# KiCad board ae89fa26-SparkFun_Thing_Plus_ESP32-S3_panelized.kicad_pcb (continued)
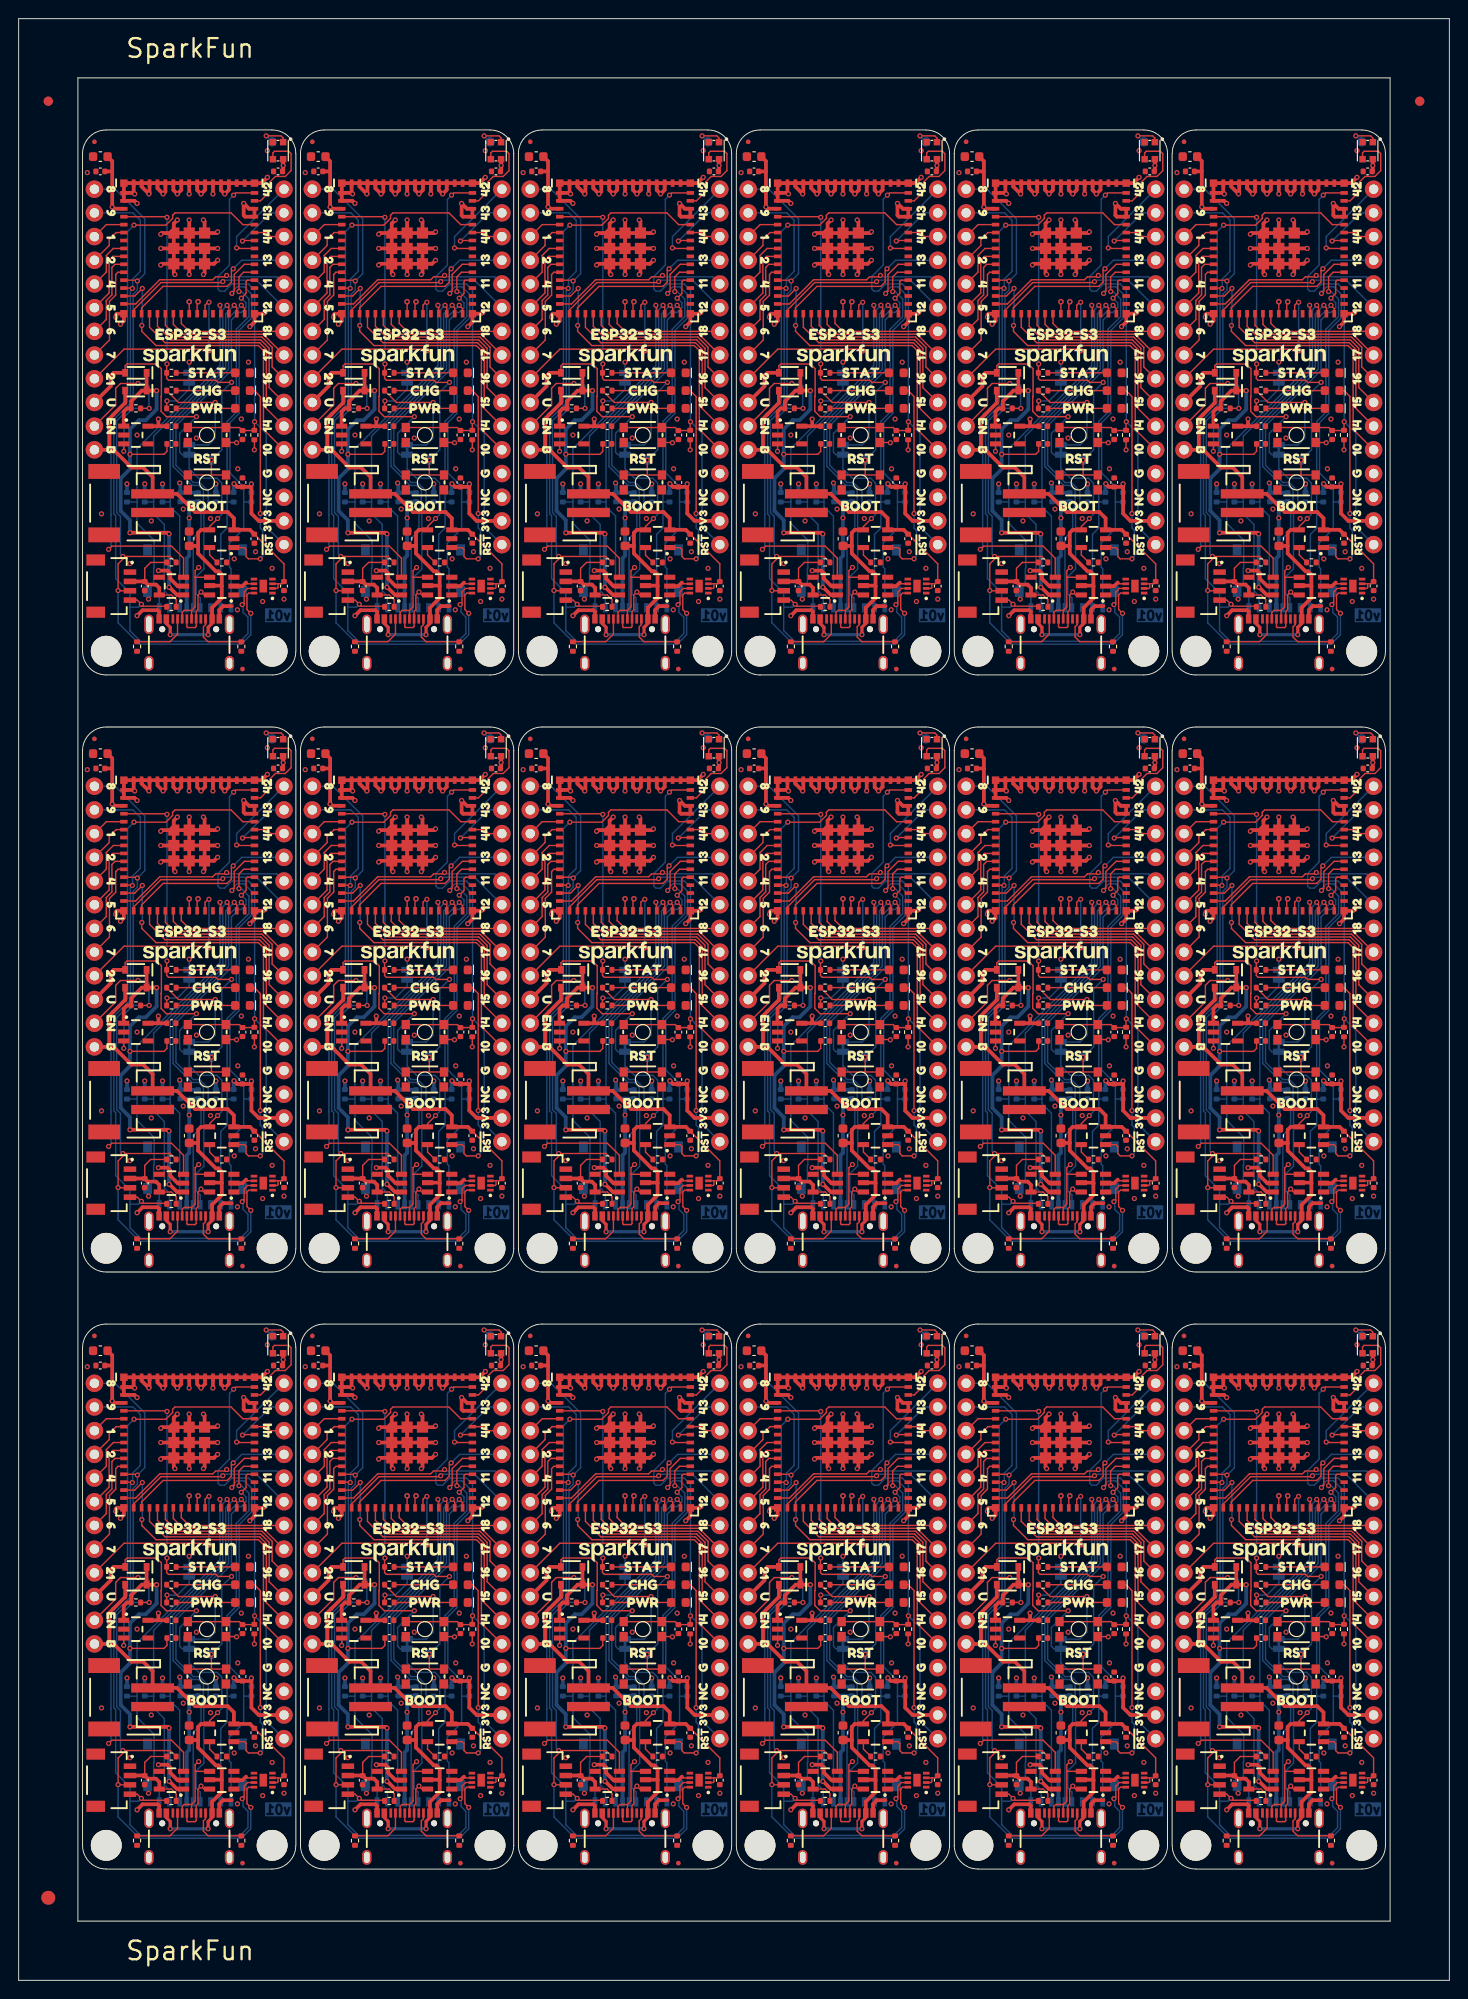
[diagram p0: board, top side]
## Routing (per net, layer and track width the routed paths; a pad name or vN(x,y) marks a point on that pad's centre or on a via; arc(x,y) is an arc through that point) (continued)
ESP45/Q_EN: length 1094.7
  Top w0.152: U3#8.41 70.75,124.2 69.49,125.46 63.48,125.46 63.22,125.21 63.22,124.87 62.5,124.15 v1(59.08,124.15) ; v1(33,25.39) 33.35,25.74 39.74,25.74 41.04,24.44 U1#5.3 ; U3#13.41 140.83,188.2 139.57,189.46 133.56,189.46 133.3,189.21 133.3,188.87 132.58,188.15 v1(129.16,188.15) ; v1(79.72,153.39) 80.07,153.74 86.46,153.74 87.76,152.44 U1#3.3 ; v1(103.08,153.39) 103.43,153.74 109.81,153.74 111.12,152.44 U1#12.3 ; U1#17.3 134.48,88.44 133.18,89.74 126.79,89.74 v1(126.44,89.39) ; v1(12.36,188.15) 15.78,188.15 16.5,188.87 16.5,189.21 16.76,189.46 22.77,189.46 24.03,188.2 U3#3.41 ; v1(35.72,124.15) 39.14,124.15 39.86,124.87 39.86,125.21 40.12,125.46 46.13,125.46 47.39,124.2 U3#5.41 ; U1#2.3 134.48,152.44 133.18,153.74 126.79,153.74 v1(126.44,153.39) ; v1(33,153.39) 33.35,153.74 39.74,153.74 41.04,152.44 U1#15.3 ; v1(12.36,60.15) 15.78,60.15 16.5,60.87 16.5,61.21 16.76,61.46 22.77,61.46 24.03,60.2 U3#18.41 ; U3#12.41 140.83,124.2 139.57,125.46 133.56,125.46 133.3,125.21 133.3,124.87 132.58,124.15 v1(129.16,124.15) ; v1(56.36,153.39) 56.71,153.74 63.09,153.74 64.4,152.44 U1#10.3 ; v1(59.08,60.15) 62.5,60.15 63.22,60.87 63.22,61.21 63.48,61.46 69.49,61.46 70.75,60.2 U3#17.41 ; v1(82.44,60.15) 85.86,60.15 86.58,60.87 86.58,61.21 86.84,61.46 92.85,61.46 94.11,60.2 U3#11.41 ; v1(33,89.39) 33.35,89.74 39.74,89.74 41.04,88.44 U1#14.3 ; U1#9.3 134.48,24.44 133.18,25.74 126.79,25.74 v1(126.44,25.39) ; U1#8.3 87.76,24.44 86.46,25.74 80.07,25.74 v1(79.72,25.39) ; v1(103.08,89.39) 103.43,89.74 109.81,89.74 111.12,88.44 U1#4.3 ; v1(79.72,89.39) 80.07,89.74 86.46,89.74 87.76,88.44 U1#13.3 ; U3#14.41 117.47,60.2 116.21,61.46 110.2,61.46 109.94,61.21 109.94,60.87 109.22,60.15 v1(105.8,60.15) ; U3#9.41 117.47,124.2 116.21,125.46 110.2,125.46 109.94,125.21 109.94,124.87 109.22,124.15 v1(105.8,124.15) ; v1(56.36,89.39) 56.71,89.74 63.09,89.74 64.4,88.44 U1#6.3 ; U1.3 17.68,88.44 16.38,89.74 9.99,89.74 v1(9.64,89.39) ; U3#16.41 140.83,60.2 139.57,61.46 133.56,61.46 133.3,61.21 133.3,60.87 132.58,60.15 v1(129.16,60.15) ; v1(59.08,188.15) 62.5,188.15 63.22,188.87 63.22,189.21 63.48,189.46 69.49,189.46 70.75,188.2 U3#7.41 ; v1(103.08,25.39) 103.43,25.74 109.81,25.74 111.12,24.44 U1#7.3 ; U1#16.3 17.68,152.44 16.38,153.74 9.99,153.74 v1(9.64,153.39) ; U3#2.41 47.39,60.2 46.13,61.46 40.12,61.46 39.86,61.21 39.86,60.87 39.14,60.15 v1(35.72,60.15) ; U1#18.3 17.68,24.44 16.38,25.74 9.99,25.74 v1(9.64,25.39) ; U3#4.41 24.03,124.2 22.77,125.46 16.76,125.46 16.5,125.21 16.5,124.87 15.78,124.15 v1(12.36,124.15) ; U3#6.41 117.47,188.2 116.21,189.46 110.2,189.46 109.94,189.21 109.94,188.87 109.22,188.15 v1(105.8,188.15) ; v1(35.72,188.15) 39.14,188.15 39.86,188.87 39.86,189.21 40.12,189.46 46.13,189.46 47.39,188.2 U3.41 ; v1(82.44,124.15) 85.86,124.15 86.58,124.87 86.58,125.21 86.84,125.46 92.85,125.46 94.11,124.2 U3#15.41 ; U3#10.41 94.11,188.2 92.85,189.46 86.84,189.46 86.58,189.21 86.58,188.87 85.86,188.15 v1(82.44,188.15) ; v1(56.36,25.39) 56.71,25.74 63.09,25.74 64.4,24.44 U1#11.3
  Bottom w0.152: v1(79.72,25.39) 79.98,25.65 79.98,29.08 79.98,29.08 79.98,39.45 81.75,41.23 81.75,59.46 v1(82.44,60.15) ; v1(33,153.39) 33.26,153.65 33.26,157.08 33.26,157.08 33.26,167.45 35.03,169.23 35.03,187.46 v1(35.72,188.15) ; v1(59.08,188.15) 58.39,187.46 58.39,169.23 56.62,167.45 56.62,157.08 56.62,157.08 56.62,153.65 v1(56.36,153.39) ; v1(12.36,124.15) 11.67,123.46 11.67,105.23 9.9,103.45 9.9,93.08 9.9,93.08 9.9,89.65 v1(9.64,89.39) ; v1(129.16,60.15) 128.47,59.46 128.47,41.23 126.7,39.45 126.7,29.08 126.7,29.08 126.7,25.65 v1(126.44,25.39) ; v1(82.44,188.15) 81.75,187.46 81.75,169.23 79.98,167.45 79.98,157.08 79.98,157.08 79.98,153.65 v1(79.72,153.39) ; v1(56.36,89.39) 56.62,89.65 56.62,93.08 56.62,93.08 56.62,103.45 58.39,105.23 58.39,123.46 v1(59.08,124.15) ; v1(129.16,124.15) 128.47,123.46 128.47,105.23 126.7,103.45 126.7,93.08 126.7,93.08 126.7,89.65 v1(126.44,89.39) ; v1(105.8,188.15) 105.11,187.46 105.11,169.23 103.34,167.45 103.34,157.08 103.34,157.08 103.34,153.65 v1(103.08,153.39) ; v1(129.16,188.15) 128.47,187.46 128.47,169.23 126.7,167.45 126.7,157.08 126.7,157.08 126.7,153.65 v1(126.44,153.39) ; v1(103.08,89.39) 103.34,89.65 103.34,93.08 103.34,93.08 103.34,103.45 105.11,105.23 105.11,123.46 v1(105.8,124.15) ; v1(59.08,60.15) 58.39,59.46 58.39,41.23 56.62,39.45 56.62,29.08 56.62,29.08 56.62,25.65 v1(56.36,25.39) ; v1(9.64,25.39) 9.9,25.65 9.9,29.08 9.9,29.08 9.9,39.45 11.67,41.23 11.67,59.46 v1(12.36,60.15) ; v1(103.08,25.39) 103.34,25.65 103.34,29.08 103.34,29.08 103.34,39.45 105.11,41.23 105.11,59.46 v1(105.8,60.15) ; v1(79.72,89.39) 79.98,89.65 79.98,93.08 79.98,93.08 79.98,103.45 81.75,105.23 81.75,123.46 v1(82.44,124.15) ; v1(35.72,60.15) 35.03,59.46 35.03,41.23 33.26,39.45 33.26,29.08 33.26,29.08 33.26,25.65 v1(33,25.39) ; v1(9.64,153.39) 9.9,153.65 9.9,157.08 9.9,157.08 9.9,167.45 11.67,169.23 11.67,187.46 v1(12.36,188.15) ; v1(33,89.39) 33.26,89.65 33.26,93.08 33.26,93.08 33.26,103.45 35.03,105.23 35.03,123.46 v1(35.72,124.15)
ESP46/LED: length 188.7
  Top w0.152: U3#3.44 25.92,190.75 26.92,191.75 26.92,192.76 27.52,193.37 28.58,193.37 29.2,193.99 29.2,195.81 28.95,196.06 27.42,196.06 27.25,195.9 27.25,195.21 ; D6#7.4 50.62,131.9 50.78,132.06 52.31,132.06 52.56,131.81 52.56,129.99 51.94,129.37 50.88,129.37 50.28,128.76 50.28,127.75 49.28,126.75 U3#5.44 ; D6#3.4 97.34,131.9 97.5,132.06 99.03,132.06 99.28,131.81 99.28,129.99 98.66,129.37 97.6,129.37 97,128.76 97,127.75 96,126.75 U3#15.44 ; U3#14.44 119.36,62.75 120.36,63.75 120.36,64.76 120.96,65.37 122.02,65.37 122.64,65.99 122.64,67.81 122.39,68.06 120.86,68.06 120.69,67.9 D6#2.4 ; U3#2.44 49.28,62.75 50.28,63.75 50.28,64.76 50.88,65.37 51.94,65.37 52.56,65.99 52.56,67.81 52.31,68.06 50.78,68.06 50.62,67.9 D6#18.4 ; D6#9.4 120.69,195.9 120.86,196.06 122.39,196.06 122.64,195.81 122.64,193.99 122.02,193.37 120.96,193.37 120.36,192.76 120.36,191.75 119.36,190.75 U3#6.44 ; U3#8.44 72.64,126.75 73.64,127.75 73.64,128.76 74.24,129.37 75.3,129.37 75.92,129.99 75.92,131.81 75.67,132.06 74.14,132.06 73.97,131.9 D6#14.4 ; U3#12.44 142.72,126.75 143.72,127.75 143.72,128.76 144.32,129.37 145.38,129.37 146,129.99 146,131.81 145.75,132.06 144.22,132.06 144.06,131.9 D6#15.4 ; U3#4.44 25.92,126.75 26.92,127.75 26.92,128.76 27.52,129.37 28.58,129.37 29.2,129.99 29.2,131.81 28.95,132.06 27.42,132.06 27.25,131.9 27.25,131.21 ; D6#13.4 97.34,67.9 97.5,68.06 99.03,68.06 99.28,67.81 99.28,65.99 98.66,65.37 97.6,65.37 97,64.76 97,63.75 96,62.75 U3#11.44 ; U3#17.44 72.64,62.75 73.64,63.75 73.64,64.76 74.24,65.37 75.3,65.37 75.92,65.99 75.92,67.81 75.67,68.06 74.14,68.06 73.97,67.9 D6#5.4 ; D6#6.4 73.97,195.9 74.14,196.06 75.67,196.06 75.92,195.81 75.92,193.99 75.3,193.37 74.24,193.37 73.64,192.76 73.64,191.75 72.64,190.75 U3#7.44 ; U3#9.44 119.36,126.75 120.36,127.75 120.36,128.76 120.96,129.37 122.02,129.37 122.64,129.99 122.64,131.81 122.39,132.06 120.86,132.06 120.69,131.9 D6#10.4 ; U3.44 49.28,190.75 50.28,191.75 50.28,192.76 50.88,193.37 51.94,193.37 52.56,193.99 52.56,195.81 52.31,196.06 50.78,196.06 50.62,195.9 D6#12.4 ; U3#13.44 142.72,190.75 143.72,191.75 143.72,192.76 144.32,193.37 145.38,193.37 146,193.99 146,195.81 145.75,196.06 144.22,196.06 144.06,195.9 D6#4.4 ; 27.25,67.21 27.25,67.9 27.42,68.06 28.95,68.06 29.2,67.81 29.2,65.99 28.58,65.37 27.52,65.37 26.92,64.76 26.92,63.75 25.92,62.75 U3#18.44 ; U3#10.44 96,190.75 97,191.75 97,192.76 97.6,193.37 98.66,193.37 99.28,193.99 99.28,195.81 99.03,196.06 97.5,196.06 97.34,195.9 D6#11.4 ; U3#16.44 142.72,62.75 143.72,63.75 143.72,64.76 144.32,65.37 145.38,65.37 146,65.99 146,67.81 145.75,68.06 144.22,68.06 144.06,67.9 D6#8.4
ESP47/SDIO2: length 704.8
  Top w0.152: U3#3.27 21.68,179.46 v1(21.58,179.55) ; U3#9.27 115.12,115.46 v1(115.02,115.55) ; v1(115.02,179.55) 115.12,179.46 U3#6.27 ; v1(138.38,115.55) 138.48,115.46 U3#12.27 ; U3#4.27 21.68,115.46 v1(21.58,115.55) ; U3#5.27 45.04,115.46 v1(44.94,115.55) ; v1(44.94,51.55) 45.04,51.46 U3#2.27 ; v1(68.3,115.55) 68.4,115.46 U3#8.27 ; v1(138.38,179.55) 138.48,179.46 U3#13.27 ; U3#14.27 115.12,51.46 v1(115.02,51.55) ; v1(91.66,51.55) 91.76,51.46 U3#11.27 ; v1(91.66,179.55) 91.76,179.46 U3#10.27 ; v1(91.66,115.55) 91.76,115.46 U3#15.27 ; U3.27 45.04,179.46 v1(44.94,179.55) ; U3#7.27 68.4,179.46 v1(68.3,179.55) ; v1(138.38,51.55) 138.48,51.46 U3#16.27 ; v1(21.58,51.55) 21.68,51.46 U3#18.27 ; U3#17.27 68.4,51.46 v1(68.3,51.55)
  Bottom w0.152: 59.41,94.47 59.41,92.19 61.24,90.36 61.24,87.41 61.19,87.36 61.19,85.81 61.78,85.21 J2#12.1 ; 59.41,94.47 59.41,94.47 R5#11.2 ; 59.41,94.47 59.41,100.19 68.3,109.08 v1(68.3,115.55) ; 129.49,30.47 129.49,36.19 138.38,45.08 v1(138.38,51.55) ; 129.49,30.47 129.49,30.47 R5#2.2 ; 129.49,30.47 129.49,28.19 131.32,26.36 131.32,23.41 131.27,23.36 131.27,21.81 131.87,21.21 131.87,19.13 ; 106.13,30.47 106.13,28.19 107.96,26.36 107.96,23.41 107.91,23.36 107.91,21.81 108.5,21.21 108.5,19.13 ; 106.13,30.47 106.13,30.47 R5#9.2 ; 106.13,30.47 106.13,36.19 115.02,45.08 v1(115.02,51.55) ; R5.2 12.69,94.47 12.69,94.47 ; 12.69,158.47 12.69,164.19 21.58,173.08 v1(21.58,179.55) ; 12.69,158.47 12.69,156.19 14.52,154.36 14.52,151.41 14.47,151.36 14.47,149.81 15.06,149.21 J2#13.1 ; 12.69,158.47 12.69,158.47 R5#3.2 ; R5#8.2 59.41,158.47 59.41,158.47 ; 36.05,158.47 36.05,158.47 R5#5.2 ; 36.05,158.47 36.05,156.19 37.88,154.36 37.88,151.41 37.83,151.36 37.83,149.81 38.43,149.21 J2#4.1 ; 36.05,158.47 36.05,164.19 44.94,173.08 v1(44.94,179.55) ; 12.69,30.47 12.69,36.19 21.58,45.08 v1(21.58,51.55) ; 12.69,30.47 12.69,28.19 14.52,26.36 14.52,23.41 14.47,23.36 14.47,21.81 15.06,21.21 15.06,19.13 ; 12.69,30.47 12.69,30.47 R5#18.2 ; J2#14.1 61.78,149.21 61.19,149.81 61.19,151.36 61.24,151.41 61.24,154.36 59.41,156.19 59.41,158.47 ; 59.41,30.47 59.41,28.19 61.24,26.36 61.24,23.41 61.19,23.36 61.19,21.81 61.78,21.21 61.78,19.13 ; 59.41,30.47 59.41,36.19 68.3,45.08 v1(68.3,51.55) ; 59.41,30.47 59.41,30.47 R5#7.2 ; 82.77,94.47 82.77,92.19 84.6,90.36 84.6,87.41 84.55,87.36 84.55,85.81 85.15,85.21 J2#16.1 ; 82.77,94.47 82.77,100.19 91.66,109.08 v1(91.66,115.55) ; 82.77,94.47 82.77,94.47 R5#12.2 ; 129.49,94.47 129.49,94.47 R5#17.2 ; 129.49,94.47 129.49,100.19 138.38,109.08 v1(138.38,115.55) ; 129.49,94.47 129.49,92.19 131.32,90.36 131.32,87.41 131.27,87.36 131.27,85.81 131.87,85.21 J2#10.1 ; 59.41,158.47 59.41,164.19 68.3,173.08 v1(68.3,179.55) ; v1(21.58,115.55) 21.58,109.08 12.69,100.19 12.69,94.47 ; 38.43,19.13 38.43,21.21 37.83,21.81 37.83,23.36 37.88,23.41 37.88,26.36 36.05,28.19 36.05,30.47 ; R5#16.2 129.49,158.47 129.49,158.47 ; v1(115.02,115.55) 115.02,109.08 106.13,100.19 106.13,94.47 ; J2#15.1 38.43,85.21 37.83,85.81 37.83,87.36 37.88,87.41 37.88,90.36 36.05,92.19 36.05,94.47 ; 12.69,94.47 12.69,92.19 14.52,90.36 14.52,87.41 14.47,87.36 14.47,85.81 15.06,85.21 J2#7.1 ; v1(115.02,179.55) 115.02,173.08 106.13,164.19 106.13,158.47 ; 82.77,158.47 82.77,158.47 R5#13.2 ; 82.77,158.47 82.77,164.19 91.66,173.08 v1(91.66,179.55) ; 82.77,158.47 82.77,156.19 84.6,154.36 84.6,151.41 84.55,151.36 84.55,149.81 85.15,149.21 J2#6.1 ; R5#15.2 82.77,30.47 82.77,30.47 ; J2#17.1 108.5,85.21 107.91,85.81 107.91,87.36 107.96,87.41 107.96,90.36 106.13,92.19 106.13,94.47 ; v1(138.38,179.55) 138.38,173.08 129.49,164.19 129.49,158.47 ; v1(44.94,115.55) 44.94,109.08 36.05,100.19 36.05,94.47 ; 36.05,94.47 36.05,94.47 R5#6.2 ; 129.49,158.47 129.49,156.19 131.32,154.36 131.32,151.41 131.27,151.36 131.27,149.81 131.87,149.21 J2#18.1 ; v1(91.66,51.55) 91.66,45.08 82.77,36.19 82.77,30.47 ; 36.05,30.47 36.05,36.19 44.94,45.08 v1(44.94,51.55) ; 36.05,30.47 36.05,30.47 R5#4.2 ; J2#9.1 108.5,149.21 107.91,149.81 107.91,151.36 107.96,151.41 107.96,154.36 106.13,156.19 106.13,158.47 ; R5#10.2 106.13,158.47 106.13,158.47 ; 106.13,94.47 106.13,94.47 R5#14.2 ; 85.15,19.13 85.15,21.21 84.55,21.81 84.55,23.36 84.6,23.41 84.6,26.36 82.77,28.19 82.77,30.47
ESP48/SDIO_~{DET}: length 697.3
  Top w0.152: U3#14.30 117.67,51.19 v1(117.31,51.55) ; U3#7.30 70.95,179.19 v1(70.59,179.55) ; U3#18.30 24.23,51.19 v1(23.87,51.55) ; v1(93.95,51.55) 94.31,51.19 U3#11.30 ; U3#15.30 94.31,115.19 v1(93.95,115.55) ; v1(70.59,115.55) 70.95,115.19 U3#8.30 ; v1(47.23,179.55) 47.59,179.19 U3.30 ; v1(47.23,115.55) 47.59,115.19 U3#5.30 ; U3#16.30 141.03,51.19 v1(140.67,51.55) ; U3#6.30 117.67,179.19 v1(117.31,179.55) ; U3#9.30 117.67,115.19 v1(117.31,115.55) ; U3#2.30 47.59,51.19 v1(47.23,51.55) ; v1(70.59,51.55) 70.95,51.19 U3#17.30 ; U3#10.30 94.31,179.19 v1(93.95,179.55) ; v1(140.67,179.55) 141.03,179.19 U3#13.30 ; U3#12.30 141.03,115.19 v1(140.67,115.55) ; U3#3.30 24.23,179.19 v1(23.87,179.55) ; v1(23.87,115.55) 24.23,115.19 U3#4.30
  Bottom w0.152: J2#13.9 18.72,154.59 19.55,155.42 19.55,157.71 19.8,157.96 19.8,159.72 19.27,160.25 18.53,160.25 18.53,160.3 16.55,162.28 16.55,166.75 22.5,172.7 22.5,178.18 v1(23.87,179.55) ; v1(140.67,51.55) 139.3,50.18 139.3,44.7 133.35,38.75 133.35,34.28 135.33,32.3 135.33,32.25 136.07,32.25 136.6,31.72 136.6,29.96 136.35,29.71 136.35,27.42 135.51,26.59 135.51,19.13 ; J2#9.9 112.16,154.59 112.99,155.42 112.99,157.71 113.24,157.96 113.24,159.72 112.71,160.25 111.97,160.25 111.97,160.3 109.99,162.28 109.99,166.75 115.94,172.7 115.94,178.18 v1(117.31,179.55) ; 88.79,147.13 88.79,154.59 89.63,155.42 89.63,157.71 89.88,157.96 89.88,159.72 89.35,160.25 88.61,160.25 88.61,160.3 86.63,162.28 86.63,166.75 92.58,172.7 92.58,178.18 v1(93.95,179.55) ; v1(93.95,51.55) 92.58,50.18 92.58,44.7 86.63,38.75 86.63,34.28 88.61,32.3 88.61,32.25 89.35,32.25 89.88,31.72 89.88,29.96 89.63,29.71 89.63,27.42 88.79,26.59 88.79,19.13 ; v1(70.59,115.55) 69.22,114.18 69.22,108.7 63.27,102.75 63.27,98.28 65.25,96.3 65.25,96.25 65.99,96.25 66.52,95.72 66.52,93.96 66.27,93.71 66.27,91.42 65.44,90.59 J2#12.9 ; v1(47.23,51.55) 45.86,50.18 45.86,44.7 39.91,38.75 39.91,34.28 41.89,32.3 41.89,32.25 42.63,32.25 43.16,31.72 43.16,29.96 42.91,29.71 42.91,27.42 42.07,26.59 42.07,19.13 ; 42.07,83.13 42.07,90.59 42.91,91.42 42.91,93.71 43.16,93.96 43.16,95.72 42.63,96.25 41.89,96.25 41.89,96.3 39.91,98.28 39.91,102.75 45.86,108.7 45.86,114.18 v1(47.23,115.55) ; v1(140.67,179.55) 139.3,178.18 139.3,172.7 133.35,166.75 133.35,162.28 135.33,160.3 135.33,160.25 136.07,160.25 136.6,159.72 136.6,157.96 136.35,157.71 136.35,155.42 135.51,154.59 135.51,147.13 ; J2#17.9 112.16,90.59 112.99,91.42 112.99,93.71 113.24,93.96 113.24,95.72 112.71,96.25 111.97,96.25 111.97,96.3 109.99,98.28 109.99,102.75 115.94,108.7 115.94,114.18 v1(117.31,115.55) ; v1(70.59,51.55) 69.22,50.18 69.22,44.7 63.27,38.75 63.27,34.28 65.25,32.3 65.25,32.25 65.99,32.25 66.52,31.72 66.52,29.96 66.27,29.71 66.27,27.42 65.44,26.59 65.44,19.13 ; v1(117.31,51.55) 115.94,50.18 115.94,44.7 109.99,38.75 109.99,34.28 111.97,32.3 111.97,32.25 112.71,32.25 113.24,31.72 113.24,29.96 112.99,29.71 112.99,27.42 112.16,26.59 112.16,19.13 ; v1(93.95,115.55) 92.58,114.18 92.58,108.7 86.63,102.75 86.63,98.28 88.61,96.3 88.61,96.25 89.35,96.25 89.88,95.72 89.88,93.96 89.63,93.71 89.63,91.42 88.79,90.59 88.79,83.13 ; 18.72,19.13 18.72,26.59 19.55,27.42 19.55,29.71 19.8,29.96 19.8,31.72 19.27,32.25 18.53,32.25 18.53,32.3 16.55,34.28 16.55,38.75 22.5,44.7 22.5,50.18 v1(23.87,51.55) ; v1(47.23,179.55) 45.86,178.18 45.86,172.7 39.91,166.75 39.91,162.28 41.89,160.3 41.89,160.25 42.63,160.25 43.16,159.72 43.16,157.96 42.91,157.71 42.91,155.42 42.07,154.59 42.07,147.13 ; v1(140.67,115.55) 139.3,114.18 139.3,108.7 133.35,102.75 133.35,98.28 135.33,96.3 135.33,96.25 136.07,96.25 136.6,95.72 136.6,93.96 136.35,93.71 136.35,91.42 135.51,90.59 135.51,83.13 ; J2#14.9 65.44,154.59 66.27,155.42 66.27,157.71 66.52,157.96 66.52,159.72 65.99,160.25 65.25,160.25 65.25,160.3 63.27,162.28 63.27,166.75 69.22,172.7 69.22,178.18 v1(70.59,179.55) ; v1(23.87,115.55) 22.5,114.18 22.5,108.7 16.55,102.75 16.55,98.28 18.53,96.3 18.53,96.25 19.27,96.25 19.8,95.72 19.8,93.96 19.55,93.71 19.55,91.42 18.72,90.59 J2#7.9
ESP~{RST}: length 980.8
  Top w0.152: SW2#13.1 140.47,102.45 C6#15.1 142.03,102.13 R8#14.2 142.06,103.05 v1(142.09,103.08) ; U3#5.45 46.64,127.6 v1(46.4,127.37) ; SW2#6.1 SW2#6.1 93.75,38.45 C6#7.1 95.31,38.13 R8#2.2 95.34,39.05 v1(95.37,39.08) ; SW2#10.1 SW2#10.1 70.4,102.45 C6#2.1 71.96,102.13 R8#8.2 71.99,103.05 v1(72.01,103.08) ; v1(23.04,191.37) 23.28,191.6 U3#3.45 ; v1(116.48,127.37) 116.72,127.6 U3#9.45 ; U3#13.45 140.08,191.6 v1(139.84,191.37) ; SW2#9.1 SW2#9.1 70.4,38.45 C6#10.1 71.96,38.13 R8#7.2 71.99,39.05 v1(72.01,39.08) ; SW2#17.1 SW2#17.1 117.12,166.45 C6#5.1 118.68,166.13 R8#17.2 118.71,167.05 v1(118.73,167.08) ; v1(93.12,127.37) 93.36,127.6 U3#15.45 ; v1(25.29,167.08) 25.27,167.05 R8.2 25.23,166.13 C6#8.1 23.67,166.45 SW2.1 SW2.1 ; v1(69.76,191.37) 70,191.6 U3#7.45 ; SW2#7.1 SW2#7.1 93.75,102.45 C6#14.1 95.31,102.13 R8#15.2 95.34,103.05 v1(95.37,103.08) ; SW2#15.1 140.47,166.45 C6#17.1 142.03,166.13 R8#10.2 142.06,167.05 v1(142.09,167.08) ; v1(118.73,39.08) 118.71,39.05 R8#12.2 118.68,38.13 C6#13.1 117.12,38.45 SW2#12.1 SW2#12.1 ; U3#18.45 23.28,63.6 v1(23.04,63.37) ; U3#4.45 23.28,127.6 v1(23.04,127.37) ; v1(25.29,39.08) 25.27,39.05 R8#18.2 25.23,38.13 C6#18.1 23.67,38.45 SW2#18.1 SW2#18.1 ; v1(46.4,63.37) 46.64,63.6 U3#2.45 ; v1(139.84,127.37) 140.08,127.6 U3#12.45 ; U3.45 46.64,191.6 v1(46.4,191.37) ; v1(69.76,63.37) 70,63.6 U3#17.45 ; v1(93.12,63.37) 93.36,63.6 U3#11.45 ; U3#10.45 93.36,191.6 v1(93.12,191.37) ; v1(139.84,63.37) 140.08,63.6 U3#16.45 ; v1(118.73,103.08) 118.71,103.05 R8#11.2 118.68,102.13 C6#4.1 117.12,102.45 SW2#16.1 SW2#16.1 ; v1(142.09,39.08) 142.06,39.05 R8#13.2 142.03,38.13 C6#16.1 140.47,38.45 SW2#14.1 ; U3#6.45 116.72,191.6 v1(116.48,191.37) ; SW2#2.1 SW2#2.1 70.4,166.45 C6#12.1 71.96,166.13 R8#9.2 71.99,167.05 v1(72.01,167.08) ; SW2#5.1 SW2#5.1 47.03,38.45 C6#3.1 48.59,38.13 R8#4.2 48.62,39.05 v1(48.65,39.08) ; v1(48.65,167.08) 48.62,167.05 R8#6.2 48.59,166.13 C6.1 47.03,166.45 SW2#8.1 SW2#8.1 ; SW2#4.1 SW2#4.1 23.67,102.45 C6#9.1 25.23,102.13 R8#3.2 25.27,103.05 v1(25.29,103.08) ; SW2#3.1 SW2#3.1 93.75,166.45 C6#11.1 95.31,166.13 R8#16.2 95.34,167.05 v1(95.37,167.08) ; v1(116.48,63.37) 116.72,63.6 U3#14.45 ; v1(48.65,103.08) 48.62,103.05 R8#5.2 48.59,102.13 C6#6.1 47.03,102.45 SW2#11.1 SW2#11.1 ; U3#8.45 70,127.6 v1(69.76,127.37)
  Bottom w0.152: v1(116.48,63.37) 116.04,62.92 116.04,55.87 114.81,54.65 114.81,53.29 115.02,53.08 115.53,53.08 116.29,53.84 118.07,53.84 118.73,53.18 v1(118.73,39.08) 119.97,37.83 119.97,27.81 U10#14.28 ; U10#16.28 119.97,155.81 119.97,165.83 v1(118.73,167.08) 118.73,181.18 118.07,181.84 116.29,181.84 115.53,181.08 115.02,181.08 114.81,181.29 114.81,182.65 116.04,183.87 116.04,190.92 v1(116.48,191.37) ; U10#15.28 119.97,91.81 119.97,101.83 v1(118.73,103.08) 118.73,117.18 118.07,117.84 116.29,117.84 115.53,117.08 115.02,117.08 114.81,117.29 114.81,118.65 116.04,119.87 116.04,126.92 v1(116.48,127.37) ; U10#17.28 96.62,91.81 96.62,101.83 v1(95.37,103.08) 95.37,117.18 94.71,117.84 92.93,117.84 92.17,117.08 91.66,117.08 91.45,117.29 91.45,118.65 92.68,119.87 92.68,126.92 v1(93.12,127.37) ; v1(139.84,63.37) 139.4,62.92 139.4,55.87 138.17,54.65 138.17,53.29 138.38,53.08 138.89,53.08 139.65,53.84 141.43,53.84 142.09,53.18 v1(142.09,39.08) 143.34,37.83 143.34,27.81 U10#10.28 ; U10#11.28 96.62,27.81 96.62,37.83 v1(95.37,39.08) 95.37,53.18 94.71,53.84 92.93,53.84 92.17,53.08 91.66,53.08 91.45,53.29 91.45,54.65 92.68,55.87 92.68,62.92 v1(93.12,63.37) ; v1(69.76,127.37) 69.32,126.92 69.32,119.87 68.09,118.65 68.09,117.29 68.3,117.08 68.81,117.08 69.57,117.84 71.35,117.84 72.01,117.18 v1(72.01,103.08) 73.25,101.83 73.25,91.81 U10#9.28 ; v1(69.76,63.37) 69.32,62.92 69.32,55.87 68.09,54.65 68.09,53.29 68.3,53.08 68.81,53.08 69.57,53.84 71.35,53.84 72.01,53.18 v1(72.01,39.08) 73.25,37.83 73.25,27.81 U10#6.28 ; v1(93.12,191.37) 92.68,190.92 92.68,183.87 91.45,182.65 91.45,181.29 91.66,181.08 92.17,181.08 92.93,181.84 94.71,181.84 95.37,181.18 v1(95.37,167.08) 96.62,165.83 96.62,155.81 U10#13.28 ; v1(23.04,191.37) 22.6,190.92 22.6,183.87 21.37,182.65 21.37,181.29 21.58,181.08 22.09,181.08 22.85,181.84 24.63,181.84 25.29,181.18 v1(25.29,167.08) 26.53,165.83 26.53,155.81 U10#2.28 ; U10#5.28 49.9,155.81 49.9,165.83 v1(48.65,167.08) 48.65,181.18 47.99,181.84 46.21,181.84 45.45,181.08 44.94,181.08 44.73,181.29 44.73,182.65 45.96,183.87 45.96,190.92 v1(46.4,191.37) ; U10#8.28 143.34,91.81 143.34,101.83 v1(142.09,103.08) 142.09,117.18 141.43,117.84 139.65,117.84 138.89,117.08 138.38,117.08 138.17,117.29 138.17,118.65 139.4,119.87 139.4,126.92 v1(139.84,127.37) ; U10#7.28 143.34,155.81 143.34,165.83 v1(142.09,167.08) 142.09,181.18 141.43,181.84 139.65,181.84 138.89,181.08 138.38,181.08 138.17,181.29 138.17,182.65 139.4,183.87 139.4,190.92 v1(139.84,191.37) ; U10#4.28 49.9,91.81 49.9,101.83 v1(48.65,103.08) 48.65,117.18 47.99,117.84 46.21,117.84 45.45,117.08 44.94,117.08 44.73,117.29 44.73,118.65 45.96,119.87 45.96,126.92 v1(46.4,127.37) ; v1(23.04,63.37) 22.6,62.92 22.6,55.87 21.37,54.65 21.37,53.29 21.58,53.08 22.09,53.08 22.85,53.84 24.63,53.84 25.29,53.18 v1(25.29,39.08) 26.53,37.83 26.53,27.81 U10#18.28 ; v1(69.76,191.37) 69.32,190.92 69.32,183.87 68.09,182.65 68.09,181.29 68.3,181.08 68.81,181.08 69.57,181.84 71.35,181.84 72.01,181.18 v1(72.01,167.08) 73.25,165.83 73.25,155.81 U10#12.28 ; v1(23.04,127.37) 22.6,126.92 22.6,119.87 21.37,118.65 21.37,117.29 21.58,117.08 22.09,117.08 22.85,117.84 24.63,117.84 25.29,117.18 v1(25.29,103.08) 26.53,101.83 26.53,91.81 U10.28 ; v1(46.4,63.37) 45.96,62.92 45.96,55.87 44.73,54.65 44.73,53.29 44.94,53.08 45.45,53.08 46.21,53.84 47.99,53.84 48.65,53.18 v1(48.65,39.08) 49.9,37.83 49.9,27.81 U10#3.28
Q3V3: length 196.7
  Top w0.152: C3#6.1 130.32,87.36 130.95,88 R15#4.1 ; C3.1 13.52,23.36 14.15,24 R15.1 ; R12#14.1 133.69,19.99 133.17,20.51 U1#9.5 ; U1#16.5 16.37,148.51 16.89,147.99 R12#15.1 ; C3#2.1 13.52,87.36 14.15,88 R15#9.1 ; C3#16.1 60.24,23.36 60.87,24 R15#13.1 ; R15#10.1 14.15,152 13.52,151.36 C3#3.1 ; R15#6.1 130.95,152 130.32,151.36 C3#8.1 ; R15#7.1 37.51,88 36.88,87.36 C3#5.1 ; U1#3.5 86.45,148.51 86.97,147.99 R12#16.1 ; U1#14.5 39.73,84.51 40.25,83.99 R12#10.1 ; R12#12.1 86.97,83.99 86.45,84.51 U1#13.5 ; C3#10.1 36.88,151.36 37.51,152 R15#12.1 ; C3#13.1 83.6,151.36 84.23,152 R15#17.1 ; R12#11.1 110.32,147.99 109.81,148.51 U1#12.5 ; R15#11.1 37.51,24 36.88,23.36 C3#4.1 ; R12#6.1 40.25,19.99 39.73,20.51 U1#5.5 ; U1#17.5 133.17,84.51 133.69,83.99 R12#18.1 ; C3#9.1 83.6,23.36 84.23,24 R15#8.1 ; U1#11.5 63.09,20.51 63.6,19.99 R12#7.1 ; R15#16.1 60.87,152 60.24,151.36 C3#11.1 ; R12#3.1 133.69,147.99 133.17,148.51 U1#2.5 ; C3#17.1 83.6,87.36 84.23,88 R15#14.1 ; C3#18.1 106.96,23.36 107.59,24 R15#18.1 ; R12#9.1 86.97,19.99 86.45,20.51 U1#8.5 ; U1#4.5 109.81,84.51 110.32,83.99 R12#2.1 ; C3#15.1 130.32,23.36 130.95,24 R15#2.1 ; R12#5.1 63.6,147.99 63.09,148.51 U1#10.5 ; R15#5.1 107.59,152 106.96,151.36 C3#14.1 ; U1#6.5 63.09,84.51 63.6,83.99 R12#13.1 ; U1#15.5 39.73,148.51 40.25,147.99 R12#17.1 ; U1.5 16.37,84.51 16.89,83.99 R12#4.1 ; C3#7.1 106.96,87.36 107.59,88 R15#3.1 ; R12#8.1 110.32,19.99 109.81,20.51 U1#7.5 ; C3#12.1 60.24,87.36 60.87,88 R15#15.1 ; R12.1 16.89,19.99 16.37,20.51 U1#18.5
  Top w0.406: U1#12.5 108.51,149.27 108.17,149.61 107.28,149.61 C3#14.1 106.94,149.96 105.45,149.96 ; 58.73,21.96 60.22,21.96 C3#16.1 60.56,21.61 61.45,21.61 61.79,21.27 U1#11.5 ; U1#15.5 38.43,149.27 38.09,149.61 37.2,149.61 C3#10.1 36.86,149.96 35.37,149.96 ; U1#17.5 131.87,85.27 131.53,85.61 130.64,85.61 C3#6.1 130.3,85.96 128.81,85.96 ; U1#7.5 108.51,21.27 108.17,21.61 107.28,21.61 C3#18.1 106.94,21.96 105.45,21.96 ; 12.01,21.96 13.5,21.96 C3.1 13.84,21.61 14.73,21.61 15.07,21.27 U1#18.5 ; U1#5.5 38.43,21.27 38.09,21.61 37.2,21.61 C3#4.1 36.86,21.96 35.37,21.96 ; U1#10.5 61.79,149.27 61.45,149.61 60.56,149.61 C3#11.1 60.22,149.96 58.73,149.96 ; 128.81,21.96 130.3,21.96 C3#15.1 130.64,21.61 131.53,21.61 131.87,21.27 U1#9.5 ; U1#13.5 85.15,85.27 84.81,85.61 83.92,85.61 C3#17.1 83.58,85.96 82.09,85.96 ; U1#8.5 85.15,21.27 84.81,21.61 83.92,21.61 C3#9.1 83.58,21.96 82.09,21.96 ; 82.09,149.96 83.58,149.96 C3#13.1 83.92,149.61 84.81,149.61 85.15,149.27 U1#3.5 ; 12.01,85.96 13.5,85.96 C3#2.1 13.84,85.61 14.73,85.61 15.07,85.27 U1.5 ; U1#2.5 131.87,149.27 131.53,149.61 130.64,149.61 C3#8.1 130.3,149.96 128.81,149.96 ; 35.37,85.96 36.86,85.96 C3#5.1 37.2,85.61 38.09,85.61 38.43,85.27 U1#14.5 ; 58.73,85.96 60.22,85.96 C3#12.1 60.56,85.61 61.45,85.61 61.79,85.27 U1#6.5 ; 12.01,149.96 13.5,149.96 C3#3.1 13.84,149.61 14.73,149.61 15.07,149.27 U1#16.5 ; U1#4.5 108.51,85.27 108.17,85.61 107.28,85.61 C3#7.1 106.94,85.96 105.45,85.96
VUSB: length 1043.8
  Top w0.152: v1(114.77,156.69) 113.91,155.84 U5#16.4 ; D2#16.A 128.22,173.07 128.41,173.27 131.59,173.27 132.1,172.76 132.1,169.81 132.06,169.78 132.06,168.19 132.64,167.62 v1(135.85,167.62) ; v1(114.77,92.69) 113.91,91.84 U5#9.4 ; D2#11.A 34.78,173.07 34.97,173.27 38.15,173.27 38.66,172.76 38.66,169.81 38.62,169.78 38.62,168.19 39.2,167.62 v1(42.41,167.62) ; v1(44.69,156.69) 43.83,155.84 U5#13.4 ; v1(138.13,92.69) 137.27,91.84 U5#10.4 ; v1(42.41,39.62) 39.2,39.62 38.62,40.19 38.62,41.78 38.66,41.81 38.66,44.76 38.15,45.27 34.97,45.27 34.78,45.07 D2#8.A ; D2#12.A 104.85,109.07 105.05,109.27 108.23,109.27 108.74,108.76 108.74,105.81 108.7,105.78 108.7,104.19 109.28,103.62 v1(112.49,103.62) ; v1(65.77,39.62) 62.56,39.62 61.98,40.19 61.98,41.78 62.02,41.81 62.02,44.76 61.51,45.27 58.33,45.27 58.13,45.07 D2#4.A ; v1(44.69,28.69) 43.83,27.84 U5#4.4 ; D2#6.A 81.5,45.07 81.69,45.27 84.87,45.27 85.38,44.76 85.38,41.81 85.34,41.78 85.34,40.19 85.92,39.62 v1(89.13,39.62) ; v1(68.05,156.69) 67.19,155.84 U5#14.4 ; v1(21.33,156.69) 20.47,155.84 U5#2.4 ; v1(91.41,92.69) 90.55,91.84 U5#18.4 ; D2#18.A 11.42,45.07 11.61,45.27 14.79,45.27 15.3,44.76 15.3,41.81 15.26,41.78 15.26,40.19 15.84,39.62 v1(19.05,39.62) ; U5#12.4 137.27,27.84 v1(138.13,28.69) ; U5#8.4 43.83,91.84 v1(44.69,92.69) ; v1(42.41,103.62) 39.2,103.62 38.62,104.19 38.62,105.78 38.66,105.81 38.66,108.76 38.15,109.27 34.97,109.27 34.78,109.07 D2#9.A ; v1(65.77,167.62) 62.56,167.62 61.98,168.19 61.98,169.78 62.02,169.81 62.02,172.76 61.51,173.27 58.33,173.27 58.13,173.07 D2#3.A ; v1(68.05,92.69) 67.19,91.84 U5#11.4 ; D2#5.A 104.85,45.07 105.05,45.27 108.23,45.27 108.74,44.76 108.74,41.81 108.7,41.78 108.7,40.19 109.28,39.62 v1(112.49,39.62) ; D2.A 81.5,109.07 81.69,109.27 84.87,109.27 85.38,108.76 85.38,105.81 85.34,105.78 85.34,104.19 85.92,103.62 v1(89.13,103.62) ; U5#5.4 113.91,27.84 v1(114.77,28.69) ; D2#7.A 11.42,109.07 11.61,109.27 14.79,109.27 15.3,108.76 15.3,105.81 15.26,105.78 15.26,104.19 15.84,103.62 v1(19.05,103.62) ; U5.4 20.47,27.84 v1(21.33,28.69) ; D2#2.A 58.13,109.07 58.33,109.27 61.51,109.27 62.02,108.76 62.02,105.81 61.98,105.78 61.98,104.19 62.56,103.62 v1(65.77,103.62) ; v1(19.05,167.62) 15.84,167.62 15.26,168.19 15.26,169.78 15.3,169.81 15.3,172.76 14.79,173.27 11.61,173.27 11.42,173.07 D2#10.A ; v1(21.33,92.69) 20.47,91.84 U5#3.4 ; v1(112.49,167.62) 109.28,167.62 108.7,168.19 108.7,169.78 108.74,169.81 108.74,172.76 108.23,173.27 105.05,173.27 104.85,173.07 D2#13.A ; U5#17.4 137.27,155.84 v1(138.13,156.69) ; v1(91.41,156.69) 90.55,155.84 U5#15.4 ; v1(135.85,39.62) 132.64,39.62 132.06,40.19 132.06,41.78 132.1,41.81 132.1,44.76 131.59,45.27 128.41,45.27 128.22,45.07 D2#14.A ; v1(68.05,28.69) 67.19,27.84 U5#7.4 ; v1(91.41,28.69) 90.55,27.84 U5#6.4 ; v1(89.13,167.62) 85.92,167.62 85.34,168.19 85.34,169.78 85.38,169.81 85.38,172.76 84.87,173.27 81.69,173.27 81.5,173.07 D2#17.A ; D2#15.A 128.22,109.07 128.41,109.27 131.59,109.27 132.1,108.76 132.1,105.81 132.06,105.78 132.06,104.19 132.64,103.62 v1(135.85,103.62)